# Altium PCB Remote_Core.PcbDoc
Units mm, origin at the board's own origin, x right, y up, seen from the top; angles counter-clockwise.
Board outline 60.29 x 50.29 mm, 2 copper layers (Top Layer, Bottom Layer); 36 components, 43 nets, 189 pads, 276 vias.
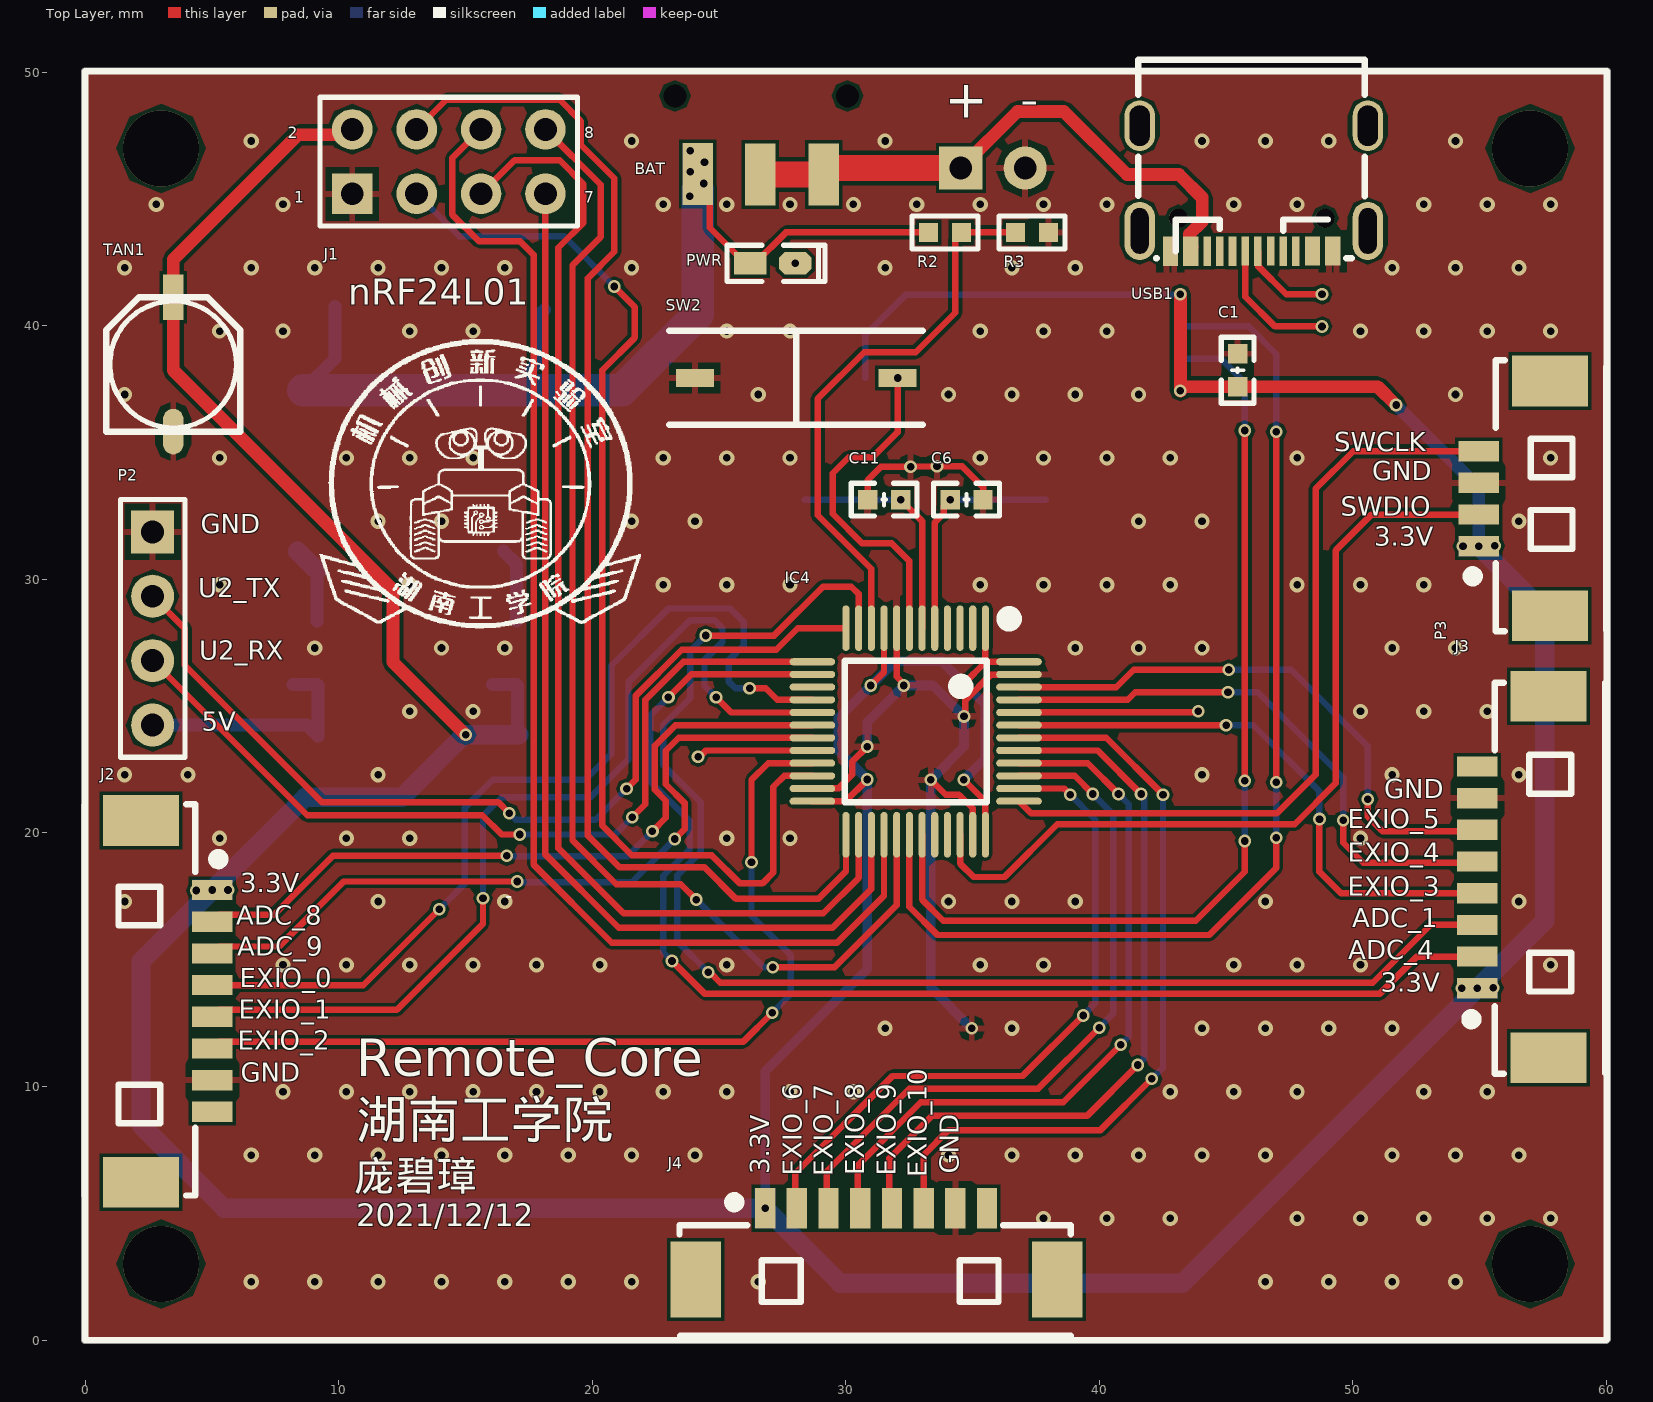
[diagram p0: Top Layer view]
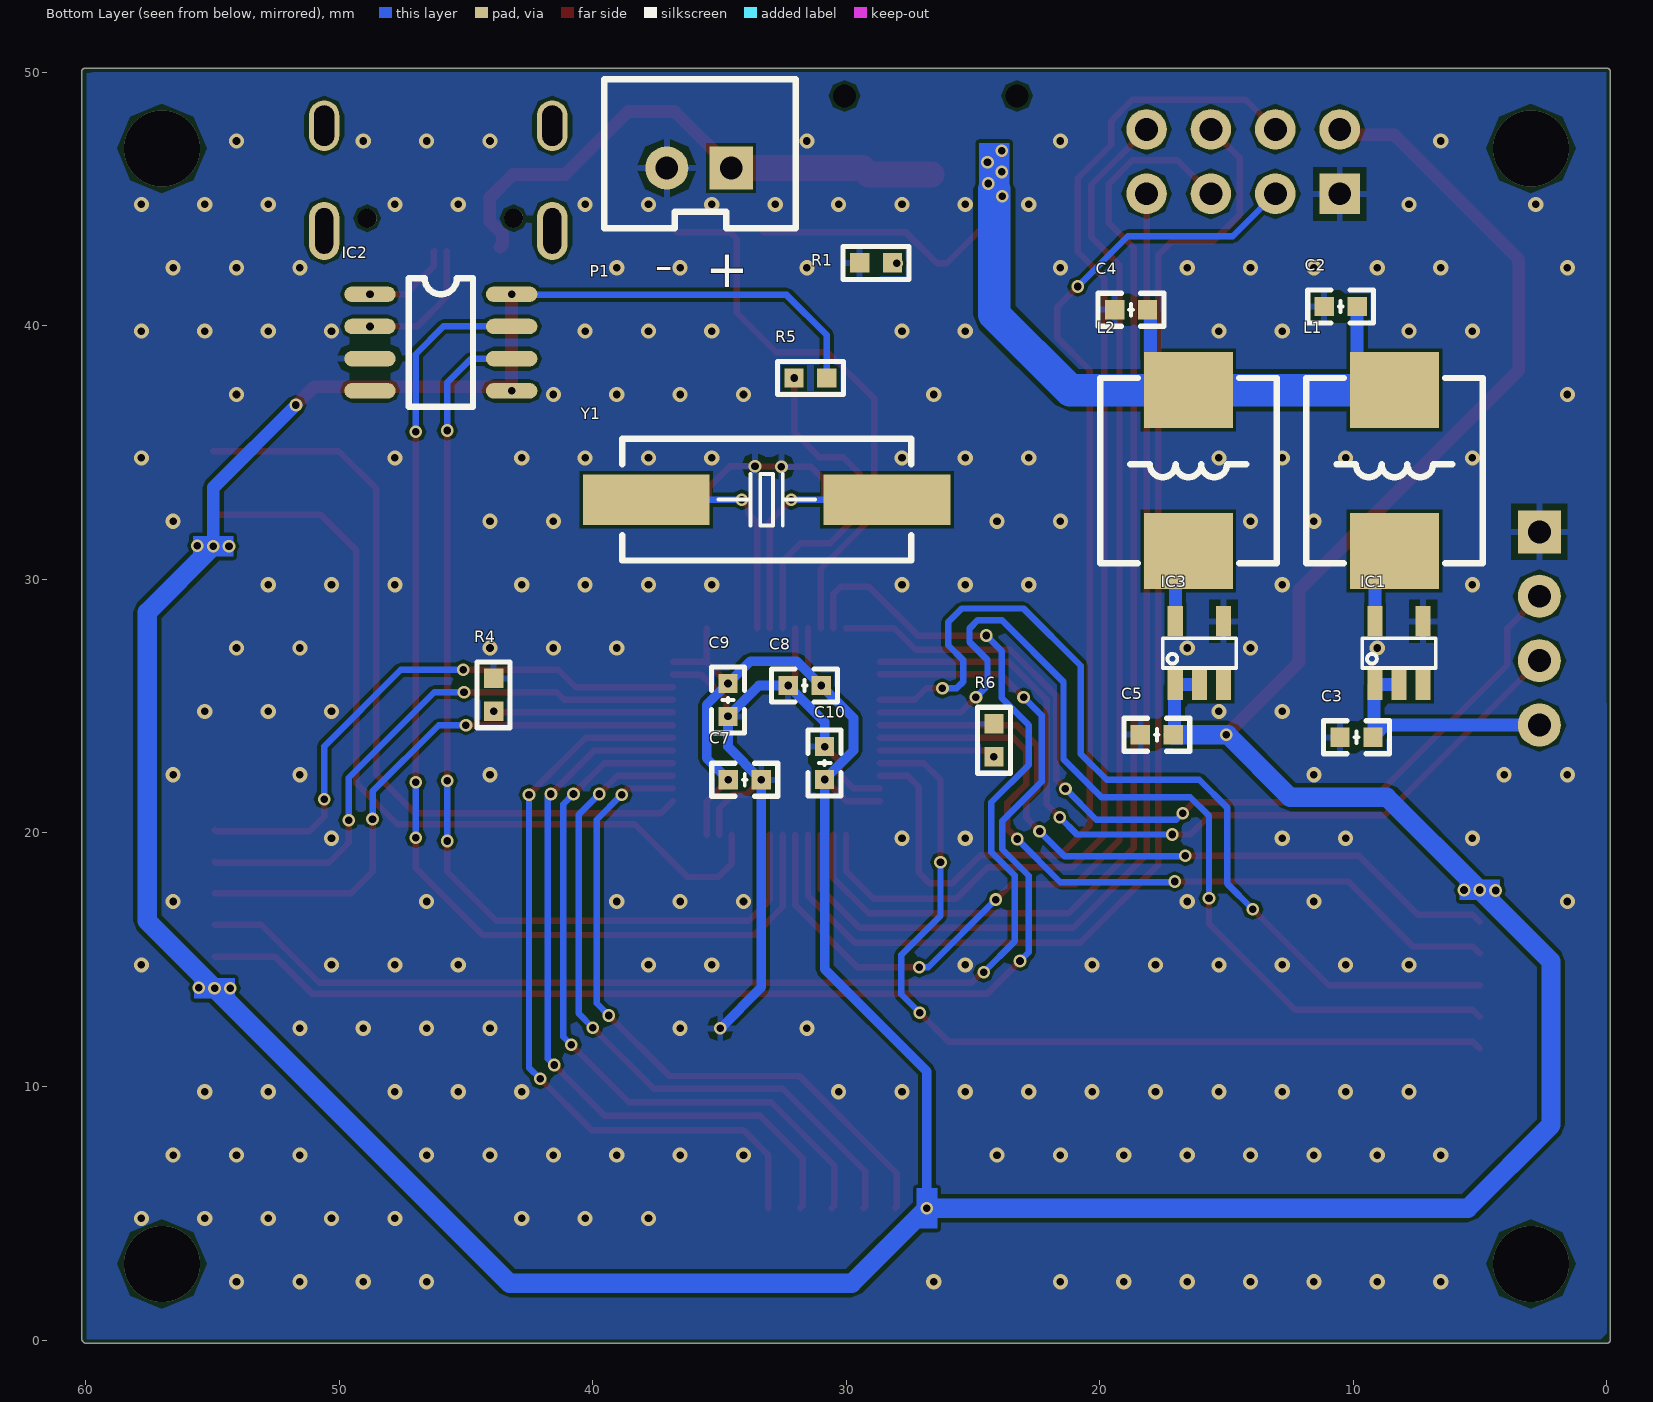
[diagram p1: Bottom Layer view, seen from below]

## Layer stack, top to bottom
Top Solder: solder mask 0.0102, Solder Resist, Dk 3.5
Top Layer: signal copper 0.0356
Dielectric 1: dielectric 0.32, FR-4, Dk 4.8
Bottom Layer: signal copper 0.0356
Bottom Solder: solder mask 0.0102, Solder Resist, Dk 3.5

## Board outline
-0.126,0.019 cw(c0,0.038) -0.127,0.038 -0.127,50.038 cw(c0,50.038) 0,50.165 60,50.165 cw(c60,50.038) 60.016,50.164 cw(c60.033,50.038) 60.16,50.038 60.16,0.038 cw(c60.033,0.038) 60.111,-0.063 cw(c60,0) 60,-0.127 0,-0.127 cw(c0,0)

## Design rules (kind name [scope] priority, off if disabled: settings)
Clearance [All] p1: gap=0.127 ignorepadtopadclearanceinfootprint=TRUE
PolygonConnect [All] p1: connectstyle=Relief reliefconductorwidth=0.254 reliefentries=4 polygonreliefangle="90 Angle" airgapwidth=0.254
RoutingVias [All] p1: holewidth=0.3 width=0.5 viastyle="Through Hole" minholewidth=0.2 minwidth=0.4 maxholewidth=0.3 maxwidth=0.8
SolderMaskExpansion [All] p1: expansion=0.102
Width [All] p1: maxlimit=1.27 minlimit=0.254 preferedwidth=0.254
30 further rules are at their usual default settings.

## Components (designator, comment, footprint, x,y, rotation, side; value= is the part's Value field where it differs from the comment)
BAT "SW" "拨动开关 9X3.5X3.5 侧卧" 26.67,49.073 r0 top (schematic designator SW1)
C1 "104" "C 0603" 45.466,38.227 r90 top
C2 "10uF" "C 0603" 10.531,40.767 r180 bottom
C3 "22uF" "C 0603" 9.906,23.774 r180 bottom
C4 "10uF" "C 0603" 18.796,40.64 r180 bottom
C5 "22uF" "C 0603" 17.78,23.876 r180 bottom
C6 "22pF" "C 0603" 34.798,33.147 r180 top
C7 "104" "C 0603" 34.036,22.098 r180 bottom
C8 "104" "C 0603" 31.623,25.817 r0 bottom
C9 "104" "C 0603" 34.671,25.273 r270 bottom
C10 "104" "C 0603" 30.861,22.733 r90 bottom
C11 "22pF" "C 0603" 31.496,33.147 r0 top
IC1 "PW5100-50" PW5100 8.255,27.051 r90 bottom
IC2 "CH340N" SOP-8 46.101,39.37 r180 bottom
IC3 "PW5100-33" PW5100 16.129,27.051 r90 bottom
IC4 "STM32F103C8T6" "LQPF48 7X7" 32.766,24.003 r180 top
J1 "JP" HDR2.54-LI-2x4P 10.566,47.752 r0 top
J2 "XM1.25" "MX1.25 8P" 2.21,13.36 r270 top
J3 "XM1.25" "MX1.25 8P" 57.734,18.263 r90 top
J4 "XM1.25" "MX1.25 8P" 31.217,2.388 r0 top
L1 "3.3uH" 0630 8.382,34.29 r270 bottom
L2 "3.3uH" 0630 16.51,34.29 r270 bottom
P1 "XH2.54" "XH2.54 2P" 35.814,46.228 r0 bottom
P2 "JP" "2.54 _ 4Pin" 2.667,28.067 r270 top
P3 "XM1.25" MX1.25 57.785,33.198 r90 top
PWR "LED" "LED 0603" 27.127,42.462 r0 top (schematic designator D1)
R1 "1K" "R 0603" 28.829,42.488 r0 bottom
R2 "10K" "R 0603" 33.924,43.688 r0 top
R3 "10K" "R 0603" 37.353,43.688 r0 top
R4 "10K" "R 0603" 43.917,25.451 r90 bottom
R5 "10K" "R 0603" 31.42,37.948 r180 bottom
R6 "10K" "R 0603" 24.181,23.658 r90 bottom
SW2 "SW" "SW SMD 3x6x2.5" 32.055,37.948 r180 top
TAN1 "100uF/10V" "6.3*5.4mm 电解电容" 3.48,38.481 r90 top
USB1 "Type-C" "USB Type-C" 45.974,45.423 r180 top
Y1 "8MHz" "OSC SMD" 33.147,33.147 r0 bottom

## Footprints (in the part's own frame and the unit in brackets; to place one, negate y for a bottom-side part, rotate by r counter-clockwise, add the part's x,y. Pads: shape width x height; smd on the part's side, far side on the other; paste and mask are expansions set on the pad)
"2.54 _ 4Pin" [mm]
  rect 1.7x1.7 hole 0.9: 1(-3.81,0)
  round 1.7 hole 0.9: 2(-1.27,0) 3(1.27,0) 4(3.81,0)
  silkscreen extent -5.08,-1.27 5.08,1.27, body extent -5.08,-1.27 5.08,1.27, height 8.5
"6.3*5.4mm 电解电容" [mm]
  rect 1.8x0.8 smd: 1(2.65,0)
  oval 1.8x0.8 smd: 2(-2.65,0)
  silkscreen extent -2.65,-2.65 2.65,2.65, body extent -2.95,-2.65 2.95,2.65, height 6
0630 [mm]
  rect 3x3.5 smd: 1(-3.175,0) 2(3.175,0)
  silkscreen extent -3.66,-3.48 3.66,3.48, body extent -3.47,-3.3 3.48,3.3, height 3.05
"C 0603" [mil]
  rect 30x30 smd: 1(-24.59,0) 2(26.59,0)
  silkscreen extent -50,-26 52,26, body extent -30,-16 33,16, height 32
HDR2.54-LI-2x4P [mm]
  rect 1.6x1.6 hole 0.9: 1(-0.025,-2.54)
  round 1.6 hole 0.9: 2(-0.025,0) 3(2.515,-2.54) 4(2.515,0) 5(5.055,-2.54) 6(5.055,0) 7(7.595,-2.54) 8(7.595,0)
  silkscreen extent -1.3,-3.81 8.86,1.27, body extent -1.3,-3.81 8.86,1.27, height 8.5
"LED 0603" [mil]
  rect 50x35 smd: 1(-35,0.26)
  oct 50x35 smd: 2(35,0.26)
  silkscreen extent -71,-28 81,28, body extent -31,-16 32,16, height 24
"LQPF48 7X7" [mm]
  oval 0.279x1.8 smd: 1(-2.75,-4.075) 2(-2.25,-4.075) 3(-1.75,-4.075) 4(-1.25,-4.075) 5(-0.75,-4.075) 6(-0.25,-4.075) 7(0.25,-4.075) 8(0.75,-4.075) 9(1.25,-4.075) 10(1.75,-4.075) 11(2.25,-4.075) 12(2.75,-4.075) 25(2.75,4.075) 26(2.25,4.075) 27(1.75,4.075) 28(1.25,4.075) 29(0.75,4.075) 30(0.25,4.075) 31(-0.25,4.075) 32(-0.75,4.075) 33(-1.25,4.075) 34(-1.75,4.075) 35(-2.25,4.075) 36(-2.75,4.075)
  oval 1.8x0.279 smd: 13(4.075,-2.75) 14(4.075,-2.25) 15(4.075,-1.75) 16(4.075,-1.25) 17(4.075,-0.75) 18(4.075,-0.25) 19(4.075,0.25) 20(4.075,0.75) 21(4.075,1.25) 22(4.075,1.75) 23(4.075,2.25) 24(4.075,2.75) 37(-4.075,2.75) 38(-4.075,2.25) 39(-4.075,1.75) 40(-4.075,1.25) 41(-4.075,0.75) 42(-4.075,0.25) 43(-4.075,-0.25) 44(-4.075,-0.75) 45(-4.075,-1.25) 46(-4.075,-1.75) 47(-4.075,-2.25) 48(-4.075,-2.75)
  silkscreen extent -3.93,-4.69 2.79,2.79, body extent -4.5,-4.5 4.5,4.5, height 1.45
MX1.25 [mm]
  rect 2x3 smd: 0(-4.632,0) 0(4.632,0)
  rect 0.8x1.6 smd: 1(-1.889,2.811) 2(-0.639,2.811) 3(0.611,2.811) 4(1.861,2.811)
  silkscreen extent -5.23,-2.23 5.45,3.25, body extent -5.07,-2.1 5.08,3.09, height 3.4
"MX1.25 8P" [mm]
  rect 2x3 smd: 0(-7.132,0) 0(7.132,0)
  rect 0.8x1.6 smd: 1(-4.389,2.811) 2(-3.139,2.811) 3(-1.889,2.811) 4(-0.639,2.811) 5(0.611,2.811) 6(1.861,2.811) 7(3.111,2.811) 8(4.361,2.811)
  silkscreen extent -7.77,-2.23 7.67,3.25, body extent -7.57,-2.1 7.58,3.09, height 3.4
"OSC SMD" [mm]
  rect 5x2 smd: 1(-4.75,0) 2(4.75,0)
  silkscreen extent -5.7,-2.4 5.7,2.4, body extent -6.5,-2.33 6.5,2.32, height 4.63
PW5100 [mm]
  rect 1.2x0.6 smd: 1(-1.201,0.896) 2(-1.201,-0.054) 3(-1.201,-1.004) 4(1.299,-1.004) 5(1.299,0.896)
  silkscreen extent -0.54,-1.5 0.63,1.4, body extent -1.4,-1.45 1.4,1.45, height 1.47
"R 0603" [mil]
  rect 30x30 smd: 1(-25.59,0) 2(25.59,0)
  silkscreen extent -51,-26 51,26, body extent -31,-16 31,16, height 16
SOP-8 [mil]
  oval 80x24 smd: 1(-106,74) 2(-106,24) 3(-106,-26) 4(-106,-76) 5(114,-76) 6(114,-26) 7(114,24) 8(114,74)
  silkscreen extent -46,-101 54,99, body extent -109,-99 129,99, height 63
"SW SMD 3x6x2.5" [mm]
  rect 1.5x0.7 smd: 1(0,0) 2(8,0)
  silkscreen extent -0.98,-1.85 9.02,1.85
"USB Type-C" [mm]
  oval 1.2x2 hole 0.8 slot 1.6 at 90 deg: 0(-4.627,-2.475) 0(4.373,-2.475)
  oval 1.2x2.3 hole 0.7 slot 1.8 at 90 deg: 0(-4.627,1.675) 0(4.373,1.675)
  rect 0.3x1.15 smd: A1(-3.39,2.473) A4(-2.589,2.471) A5(-1.289,2.475) A6(-0.289,2.475) A7(0.21,2.473) A9(2.511,2.475) A12(3.311,2.475) B1(3.011,2.475) B4(2.21,2.475) B5(1.711,2.475) B6(0.711,2.475) B7(-0.79,2.473) B9(-2.289,2.471) B12(-3.09,2.473)
  rect 0.3x1.148 smd: A8(-1.79,2.475) B8(1.21,2.475)
  round 0.75 hole 0.75 unplated: ""(-2.93,1.175) ""(2.851,1.175)
  silkscreen extent -4.51,-5.08 4.43,2.75, body extent -4.47,-5.14 4.47,2.76, height 3.25
"XH2.54 2P" [mm]
  rect 1.7x1.7 hole 0.9: 1(-1.27,0)
  round 1.7 hole 0.9: 2(1.27,0)
  silkscreen extent -3.81,-3.51 3.74,2.37, body extent -3.77,-3.3 3.77,2.4, height 7.05
"拨动开关 9X3.5X3.5 侧卧" [mm]
  round 0 hole 0.9: 0(-3.4,0) 0(3.4,0)
  rect 1.2x2.45 smd: 1(-2.5,-3.075) 2(-0.036,-3.102) 3(2.464,-3.102)

## Part data
BAT: library part 开关
C1 C2 C3 C4 C5 C6 C7 C8 C9 C10 C11: library part 电容
IC1 IC3: library part PW5100
IC4: library part stm32f103c8t6
J1 J2 J3 J4: library part 1X8排针
L1 L2: library part 电感
P1: library part 1X2排针
P2 P3 USB1: library part 1X4排针
PWR: "Typical INFRARED GaAs LED", LatestRevisionDate=08-Jul-2005, LatestRevisionNote="Mech Layer 1 removed.", PackageDescription="LED; 2 Leads", PackageReference=LED-0, Published=8-Jun-2000, Publisher="Altium Limited"
R1 R2 R3 R4 R5 R6: library part Res, "Resistor", LatestRevisionDate=17-Jul-2002, LatestRevisionNote="Re-released for DXP Platform.", PackageDescription="Axial Device, Thru-Hole; 2 Leads; 0.3 in Pin Spacing", PackageReference=AXIAL-0.3, Published=8-Jun-2000, Publisher="Altium Limited"
SW2: library part 弹簧开关
TAN1: library part 极性电容
Y1: library part 晶振, "Crystal Oscillator", LatestRevisionDate=17-Jul-2002, LatestRevisionNote="Re-released for DXP Platform.", PackageDescription="Crystal, Thru-Hole; 2 Leads; Body 3.1 x 8.2 mm (Dia.xH)", PackageReference=R38, Published=8-Jun-2000, Publisher="Altium Limited"

## Via types
v1: diameter 0.6, hole 0.3, Top Layer to Bottom Layer, tented both sides, 191 vias
v2: diameter 0.5, hole 0.3, Top Layer to Bottom Layer, tented both sides, 81 vias
v3: diameter 3, hole 3, Top Layer to Bottom Layer, 4 vias

## Nets (pads, with @x,y where several pads share a name; then routed paths per layer and width w, separated by ;. In a path a pad name is that pad's centre, name@x,y a point inside that pad or via, vN(x,y) a via of type N, cw(c..) or ccw(c..) an arc to the next point about the centre after c; other vN are vias at no path point)
ADC_IN0: IC4.10 R2.2 R3.1 | length 22.2
  Top Layer w0.254: IC4.10 31.016,30.427 28.905,32.537 28.905,37.135 30.734,38.964 32.766,38.964 34.32,40.518 34.32,43.434 R2.2 R3.1
ADC_IN1: IC4.11 J3.3 | length 55.2
  Top Layer w0.254: v2(24.486,27.788) 27.178,27.788 29.108,29.718 30.226,29.718 30.511,29.433 30.511,28.083 IC4.11 ; v2(24.587,14.503) 24.654,14.503 25.06,14.097 50.8,14.097 53.077,16.374 J3.3
  Bottom Layer w0.254: v2(24.486,27.788) 23.876,27.178 23.876,25.324 22.809,24.257 22.809,22.682 24.282,21.209 24.282,19.248 23.368,18.333 23.368,15.723 v2(24.587,14.503)
ADC_IN4: IC4.14 J3.2 | length 50.9
  Top Layer w0.254: v2(23.012,25.349) 23.916,26.253 IC4.14 ; v2(23.152,14.948) 24.435,13.665 51.079,13.665 52.538,15.124 J3.2
  Bottom Layer w0.254: v2(23.012,25.349) 22.301,24.638 22.301,22.022 23.851,20.472 23.851,19.355 22.809,18.313 22.809,15.291 v2(23.152,14.948)
ADC_IN8: IC4.18 J2.2 | length 29.2
  Top Layer w0.254: J2.2 5.293,16.772 7.45,16.772 9.779,19.101 v2(16.637,19.101) ; v2(22.381,20.066) 22.911,20.596 22.911,21.27 22.479,21.702 22.479,23.444 23.288,24.253 IC4.18
  Bottom Layer w0.254: v2@16.637,19.075 21.39,19.075 v2(22.381,20.066)
ADC_IN9: IC4.19 J2.3 | length 30.1
  Top Layer w0.254: J2.3 5.293,15.522 7.648,15.522 10.211,18.085 v2(17.043,18.085) ; v2(23.266,19.761) 23.647,20.142 23.647,21.185 22.911,21.922 22.911,23.241 23.423,23.753 IC4.19
  Bottom Layer w0.254: v2@17.043,18.059 21.565,18.059 v2(23.266,19.761)
BOOT0: IC4.44 R4.1 | length 7.1
  Top Layer w0.254: IC4.44 36.846,24.758 43.874,24.758 v2(43.917,24.801)
BOOT1: IC4.20 R6.1 | length 4.6
  Top Layer w0.254: v2(24.181,23.008) 24.247,23.008 24.493,23.253 IC4.20
EXIO_0: IC4.16 J2.4 | length 37.3
  Top Layer w0.254: J2.4 10.977,13.999 v2(13.97,16.993) ; v2(26.213,25.705) 26.848,25.705 27.3,25.253 IC4.16
  Bottom Layer w0.254: v2(13.97,16.993) 14.986,18.009 14.986,21.006 16.078,22.098 19.736,22.098 20.752,23.114 20.752,26.594 23.012,28.854 25.451,28.854 25.984,28.321 25.984,27.407 25.4,26.822 25.4,25.959 25.654,25.705 v2(26.213,25.705)
EXIO_1: IC4.17 J2.5 | length 38.3
  Top Layer w0.254: J2.5 5.293,13.022 12.302,13.022 15.697,16.418 v2(15.697,17.424) ; v2(24.892,25.349) 25.488,24.753 IC4.17
  Bottom Layer w0.254: v2(15.697,17.424) 15.697,20.676 16.434,21.412 19.939,21.412 21.438,22.911 21.438,25.959 23.876,28.397 24.816,28.397 25.146,28.067 25.146,27.534 24.435,26.822 24.435,25.806 v2(24.892,25.349)
EXIO_2: IC4.21 J2.6 | length 35.5
  Top Layer w0.254: J2.6 5.293,11.772 25.971,11.772 v2(27.102,12.903) ; v2(26.289,18.847) 26.289,22.098 26.944,22.753 IC4.21
  Bottom Layer w0.254: v2(26.289,18.847) 26.289,16.739 27.838,15.189 27.838,13.64 v2(27.102,12.903)
EXIO_3: IC4.43 J3.4 | length 22.7
  Top Layer w0.254: IC4.43 v2(45.009,24.253) ; v2(48.692,20.549) 48.692,18.474 49.542,17.624 J3.4
  Bottom Layer w0.254: v2(45.009,24.253) 46.08,24.253 48.692,21.641 v2(48.692,20.549)
EXIO_4: IC4.45 J3.5 | length 22.5
  Top Layer w0.254: IC4.45 41.128,25.253 41.427,25.552 v2(45.085,25.552) ; v2(49.632,20.498) 49.632,19.609 50.419,18.821 54.871,18.821 J3.5
  Bottom Layer w0.254: v2(45.085,25.552) 46.253,25.552 49.632,22.174 v2(49.632,20.498)
EXIO_5: IC4.46 J3.6 | length 22.7
  Top Layer w0.254: IC4.46 40.673,25.753 41.362,26.441 v2(45.11,26.441) ; v2(50.601,21.336) 50.601,20.646 51.181,20.066 54.866,20.066 J3.6
  Bottom Layer w0.254: v2(45.11,26.441) 47.574,26.441 50.601,23.415 v2(50.601,21.336)
EXIO_6: IC4.38 J4.2 | length 26.8
  Top Layer w0.254: J4.2 28.016,5.26 28.016,6.579 31.852,10.414 36.982,10.414 v2(39.37,12.802) ; IC4.38 38.623,21.753 v2(38.862,21.514)
  Bottom Layer w0.254: v2(38.862,21.514) 39.853,20.523 39.853,13.284 v2(39.37,12.802)
EXIO_7: IC4.39 J4.3 | length 27.6
  Top Layer w0.254: J4.3 29.261,5.265 29.261,6.655 32.512,9.906 37.592,9.906 v2(40.005,12.319) ; IC4.39 39.037,22.253 v2(39.751,21.539)
  Bottom Layer w0.254: v2(39.751,21.539) 40.564,20.726 40.564,12.878 v2(40.005,12.319)
EXIO_8: IC4.40 J4.4 | length 28.7
  Top Layer w0.254: J4.4 30.48,5.296 30.48,6.883 32.969,9.373 38.583,9.373 v2(40.856,11.646) ; IC4.40 39.553,22.753 v2(40.767,21.539)
  Bottom Layer w0.254: v2(40.767,21.539) 41.173,21.133 41.173,11.963 v2(40.856,11.646)
EXIO_9: IC4.41 J4.5 | length 29.7
  Top Layer w0.254: J4.5 31.725,5.302 31.725,7.163 33.401,8.839 39.522,8.839 v2(41.529,10.846) ; IC4.41 39.942,23.253 v2(41.656,21.539)
  Bottom Layer w0.254: v2(41.529,10.846) 41.783,11.1 41.783,21.412 v2(41.656,21.539)
EXIO_10: IC4.42 J4.6 | length 30.3
  Top Layer w0.254: J4.6 33.078,7.297 34.061,8.28 40.056,8.28 v2(42.075,10.3) ; IC4.42 40.28,23.753 v2(42.52,21.514)
  Bottom Layer w0.254: v2(42.075,10.3) 42.52,10.744 v2(42.52,21.514)
GND: C1.2 C2.1 C3.1 C4.1 C5.1 C6.1 C7.2 C8.2 C9.2 C10.2 C11.1 IC1.4 IC2.3 IC3.4 IC4.8 IC4.23 IC4.35 IC4.47 J1.1 J2.7 J3.7 J4.7 P1.2 P2.1 P3.3 R1.2 R3.2 R4.2 R6.2 SW2.2 TAN1.2 USB1.A1 USB1.A12 USB1.B1 USB1.B12 | length 37.7
  Top Layer w0.254: IC4.23 28.695,21.758 29.723,21.758 30.268,22.303 30.268,22.816 v2(30.861,23.408) ; C11.1 30.871,33.919 31.394,34.442 v2(32.563,34.442) 32.575,34.455 33.591,34.455 v2(33.604,34.468) 34.595,34.468 35.423,33.64 C6.1 ; IC4.8 32.016,26.166 32.298,25.884 v2(32.298,25.817) ; v2(33.361,22.098) 33.948,21.511 34.471,21.511 35.011,20.97 35.011,19.932 IC4.35 ; v2(34.671,24.598) 34.718,24.644 34.718,25.229 35.737,26.248 36.837,26.248 IC4.47
  Bottom Layer w0.381: v2(30.861,23.408) 30.861,24.38 v2(32.298,25.817) 33.452,25.817 v2(34.671,24.598) 34.671,23.408 v2(33.361,22.098) 33.361,13.909 v2(34.976,12.294)
  other v1: 6.559,2.295 9.059,2.295 11.559,2.295 14.059,2.295 16.559,2.295 19.059,2.295 21.559,2.295 26.559,2.295 46.559,2.295 49.059,2.295 51.559,2.295 54.059,2.295 37.809,4.795 40.309,4.795 42.809,4.795 47.809,4.795 50.309,4.795 52.809,4.795 55.309,4.795 57.809,4.795 6.559,7.295 9.059,7.295 11.559,7.295 14.059,7.295 16.559,7.295 19.059,7.295 21.559,7.295 24.059,7.295 34.059,7.295 36.559,7.295 39.059,7.295 41.559,7.295 44.059,7.295 46.559,7.295 51.559,7.295 54.059,7.295 56.559,7.295 7.809,9.795 10.309,9.795 12.809,9.795 15.309,9.795 17.809,9.795 20.309,9.795 22.809,9.795 25.309,9.795 27.809,9.795 30.309,9.795 42.809,9.795 45.309,9.795 47.809,9.795 52.809,9.795 55.309,9.795 31.559,12.295 36.559,12.295 44.059,12.295 46.559,12.295 49.059,12.295 51.559,12.295 7.809,14.795 10.309,14.795 12.809,14.795 15.309,14.795 17.809,14.795 20.309,14.795 25.309,14.795 35.309,14.795 37.809,14.795 45.309,14.795 47.809,14.795 50.309,14.795 57.809,14.795 1.559,17.295 11.559,17.295 16.559,17.295 34.059,17.295 36.559,17.295 39.059,17.295 46.559,17.295 56.559,17.295 5.309,19.795 10.309,19.795 12.809,19.795 25.309,19.795 27.809,19.795 50.309,19.795 1.559,22.295 4.059,22.295 11.559,22.295 44.059,22.295 51.559,22.295 56.559,22.295 12.809,24.795 15.309,24.795 50.309,24.795 52.809,24.795 55.309,24.795 9.059,27.295 14.059,27.295 16.559,27.295 39.059,27.295 41.559,27.295 44.059,27.295 51.559,27.295 54.059,27.295 5.309,29.795 12.809,29.795 22.809,29.795 25.309,29.795 27.809,29.795 35.309,29.795 37.809,29.795 40.309,29.795 42.809,29.795 47.809,29.795 50.309,29.795 52.809,29.795 11.559,32.295 14.059,32.295 21.559,32.295 24.059,32.295 41.559,32.295 44.059,32.295 56.559,32.295 5.309,34.795 10.309,34.795 12.809,34.795 15.309,34.795 22.809,34.795 25.309,34.795 27.809,34.795 35.309,34.795 37.809,34.795 40.309,34.795 42.809,34.795 47.809,34.795 57.809,34.795 1.559,37.295 26.559,37.295 34.059,37.295 36.559,37.295 39.059,37.295 41.559,37.295 54.059,37.295 5.309,39.795 7.809,39.795 12.809,39.795 15.309,39.795 25.309,39.795 27.809,39.795 35.309,39.795 37.809,39.795 40.309,39.795 50.309,39.795 52.809,39.795 55.309,39.795 57.809,39.795 1.559,42.295 6.559,42.295 9.059,42.295 11.559,42.295 14.059,42.295 16.559,42.295 21.559,42.295 31.559,42.295 36.559,42.295 39.059,42.295 51.559,42.295 54.059,42.295 56.559,42.295 2.809,44.795 7.809,44.795 22.809,44.795 25.309,44.795 27.809,44.795 30.309,44.795 32.809,44.795 35.309,44.795 37.809,44.795 40.309,44.795 45.309,44.795 47.809,44.795 52.809,44.795 55.309,44.795 57.809,44.795 6.559,47.295 21.559,47.295 31.559,47.295 44.059,47.295 46.559,47.295 49.059,47.295 54.059,47.295
NetD1_2: PWR.2 R1.1
  other v2: 28.016,42.469
NetIC1_5: IC1.5 L1.2 | length 3.1
  Bottom Layer w0.508: IC1.5 L1.2@9.151,30.346
  Bottom Layer w0.762: L1.2 L1.2@9.151,30.346
NetIC2_1: IC2.1 USB1.A6 | length 3.6
  Top Layer w0.254: USB1.A6 46.286,42.925 46.286,42.342 47.379,41.25 v2(48.793,41.25)
NetIC2_2: IC2.2 USB1.A7 | length 5.3
  Top Layer w0.254: USB1.A7 45.764,41.155 46.939,39.98 v2(48.793,39.98)
NetIC3_5: IC3.5 L2.2 | length 3
  Bottom Layer w0.508: L2.2 17.025,30.6 IC3.5
NRF_CE: IC4.22 J1.3 | length 44.4
  Top Layer w0.254: v2(20.879,41.554) 21.692,40.742 21.692,39.548 20.396,38.252 20.396,20.295 21.565,19.126 24.714,19.126 25.832,18.009 26.721,18.009 27.153,18.44 27.153,21.819 27.587,22.253 IC4.22
  Bottom Layer w0.254: J1.3 14.757,43.536 18.898,43.536 v2(20.879,41.554)
NRF_CS: IC4.25 J1.4 | length 49.6
  Top Layer w0.254: J1.4 14.249,48.92 18.72,48.92 19.558,48.082 19.558,47.142 20.879,45.822 20.879,42.926 19.837,41.885 19.837,19.888 21.082,18.644 24.435,18.644 25.679,17.399 28.927,17.399 30.016,18.488 IC4.25
NRF_IRQ: IC4.29 J1.8 | length 48.1
  Top Layer w0.254: J1.8 20.345,45.568 20.345,43.51 19.228,42.393 19.228,19.71 20.955,17.983 23.495,17.983 v2(24.105,17.374) ; v2(27.127,14.707) 29.566,14.707 32.016,17.157 IC4.29
  Bottom Layer w0.254: v2(24.105,17.374) 26.772,14.707 v2(27.127,14.707)
OSC_IN: C6.2 IC4.5 Y1.2 | length 9.1
  Top Layer w0.254: IC4.5 33.516,32.246 33.869,32.599 33.869,32.893 v2(34.123,33.147)
  Bottom Layer w0.254: v2(34.123,33.147) Y1.2
OSC_OUT: C11.2 IC4.6 Y1.1 | length 9.2
  Top Layer w0.254: v2(32.171,33.147) 33.016,32.302 IC4.6
  Bottom Layer w0.254: Y1.1 v2(32.171,33.147)
RST: IC4.7 R5.1 SW2.1 | length 13.4
  Top Layer w0.254: v2(32.055,37.948) 32.055,35.814 31.064,34.823 30.124,34.823 29.489,34.188 29.489,32.588 30.658,31.42 31.826,31.42 32.516,30.73 IC4.7
SPI2_MISO: IC4.27 J1.7 | length 42.9
  Top Layer w0.254: J1.7 18.161,19.152 21.057,16.256 29.484,16.256 31.016,17.788 IC4.27
SPI2_MOSI: IC4.28 J1.6 | length 50
  Top Layer w0.254: J1.6 14.478,46.609 14.478,44.399 15.545,43.332 17.17,43.332 17.692,42.811 17.692,40.347 17.692,19.237 17.692,18.757 20.777,15.672 29.662,15.672 31.516,17.526 IC4.28
SPI2_SCK: IC4.26 J1.5 | length 46.8
  Top Layer w0.254: J1.5 16.942,46.533 18.72,46.533 19.66,45.593 19.66,44.069 18.669,43.078 18.669,19.406 21.244,16.831 29.121,16.831 30.516,18.226 IC4.26
SWCLK: IC4.37 P3.4 | length 30.9
  Top Layer w0.254: IC4.37 37.317,20.777 47.015,20.777 48.539,22.301 48.539,33.579 50.02,35.059 P3.4
SWDIO: IC4.34 P3.2 | length 33.1
  Top Layer w0.254: IC4.34 34.516,18.799 35.052,18.263 36.271,18.263 38.354,20.345 47.716,20.345 49.327,21.956 49.327,31.14 50.745,32.559 P3.2
U1_RX: IC2.6 IC4.31 | length 38.7
  Top Layer w0.254: IC4.31 33.016,17.378 33.858,16.535 43.815,16.535 45.745,18.466 v2(45.745,19.685) ; v2(45.745,22.058) v2(45.745,35.874)
  Bottom Layer w0.254: IC2.6 44.806,38.71 45.745,37.77 v2(45.745,35.874) ; v2(45.745,19.685) v2(45.745,22.058)
U1_TX: IC2.7 IC4.30 | length 43.4
  Top Layer w0.254: IC4.30 32.516,17.09 33.63,15.977 44.348,15.977 46.99,18.618 v2(46.99,19.812) ; v2(46.99,21.996) v2(46.99,35.824)
  Bottom Layer w0.254: IC2.7 45.898,39.98 46.99,38.887 v2(46.99,35.824) ; v2(46.99,19.812) v2(46.99,21.996)
U2_RX: IC4.13 P2.3 | length 34.1
  Top Layer w0.254: P2.3 8.763,20.701 15.672,20.701 16.434,19.939 v2(17.145,19.939) ; v2(21.59,20.625) 22.098,21.133 22.098,25.248 23.603,26.753 IC4.13
  Bottom Layer w0.254: v2(17.145,19.939) 20.904,19.939 v2(21.59,20.625)
U2_TX: IC4.12 P2.2 | length 36.9
  Top Layer w0.254: P2.2 3.937,28.067 3.937,26.619 9.347,21.209 16.307,21.209 v2(16.739,20.777) ; v2(21.361,21.742) 21.717,22.098 21.717,25.405 23.54,27.229 27.268,27.229 28.118,28.078 IC4.12
  Bottom Layer w0.254: v2(16.739,20.777) 16.993,20.523 20.142,20.523 v2(21.361,21.742)
V_Bat: BAT.2 BAT.3 P1.1 USB1.A9 USB1.B4 | length 22.1
  Top Layer w0.508: P1.1 36.779,48.463 38.608,48.463 41.097,45.974 43.155,45.974 44.069,45.06 44.069,44.124 43.567,43.622 43.567,43.202 USB1.B4@43.66,43.109
  Top Layer w0.762: BAT.3 29.134,46.009 BAT.3@29.353,46.228
  Top Layer w1.016: BAT.2 BAT.3 ; BAT.3@29.353,46.228 P1.1
V_In: BAT.1 C2.2 C4.2 L1.1 L2.1 PWR.1 R2.1 | length 41.6
  Top Layer w0.254: BAT.1 24.643,45.525 24.643,43.874 26.048,42.469 PWR.1 26.429,42.469 27.648,43.688 R2.1
  Bottom Layer w0.508: L1.1 8.609,37.465 9.855,38.711 C2.2 ; L2.1 16.76,37.465 18.006,38.711 18.006,40.525 C4.2
  Bottom Layer w1.27: L1.1@8.609,37.465 L2.1 ; L2.1@16.76,37.465 21.184,37.465 24.168,40.45 24.168,45.39
  other v2: 23.851,45.11 24.409,45.618 23.876,46.076 24.435,46.457 23.876,46.914
VSS3.3: C1.1 C5.2 C7.1 C8.1 C9.1 C10.1 IC2.5 IC2.8 IC3.1 IC3.2 IC4.1 IC4.9 IC4.24 IC4.36 IC4.48 J1.2 J2.1 J3.1 J4.1 P3.1 R5.2 TAN1.1 | length 218.5
  Top Layer w0.254: IC4.24 28.695,21.258 30.01,21.258 v2(30.861,22.108) ; v2(30.998,25.817) 31.516,26.335 IC4.9 ; v2(34.661,22.098) 35.511,21.247 35.511,19.932 IC4.36 ; v2(34.671,25.898) 35.511,26.738 ; IC4.1 35.511,28.074 35.511,26.738 ; IC4.48 36.837,26.748 35.522,26.748 35.511,26.738
  Top Layer w0.508: J1.2 10.332,47.543 8.402,47.543 3.48,42.621 TAN1.1 3.48,38.252 12.141,29.591 12.141,26.746 v2(15.011,23.876) ; v2(43.205,41.25) v2(43.205,37.44) 43.368,37.602 C1.1 50.993,37.602 v2(51.714,36.881)
  Bottom Layer w0.254: R5.2 30.77,39.634 32.36,41.224 43.18,41.224 v2(43.205,41.25)
  Bottom Layer w0.381: v2(26.828,5.198) 26.828,10.597 30.861,14.63 v2(30.861,22.108) 29.718,23.251 29.718,24.537 v2(30.998,25.817) 31.953,26.772 33.797,26.772 v2(34.671,25.898) 35.509,25.059 35.509,22.947 v2(34.661,22.098)
  Bottom Layer w0.508: IC3.2 IC3.1 17.065,25.81 17.065,23.916 C5.2 ; v2(51.714,36.881) 54.974,33.621 v2(54.974,31.309)
  Bottom Layer w0.762: C5.2 v2(15.011,23.876) 14.961,23.876 12.497,21.412 8.684,21.412 v2(5.02,17.749) 2.21,14.938 2.21,8.484 5.495,5.198 v2(26.828,5.198) 29.791,2.235 43.285,2.235 v2(54.924,13.874) 57.582,16.532 57.582,28.702 v2(54.974,31.309)
  other v2: 54.305,13.874 55.55,13.894 4.394,17.729 5.639,17.749 54.356,31.309 55.601,31.329
VSS5: C3.2 IC1.1 IC1.2 P2.4 | length 9.7
  Bottom Layer w0.508: P2.4 8.748,24.257 9.191,23.814 9.191,25.81 IC1.1 IC1.2
pads on no net: BAT.0 IC1.3 IC2.4 IC3.3 IC4.2 IC4.3 IC4.4 IC4.15 IC4.32 IC4.33 J2.0 J2.8 J3.0 J3.8 J4.0 J4.8 P3.0 USB1. USB1.0 USB1.A4 USB1.A5 USB1.A8 USB1.B5 USB1.B6 USB1.B7 USB1.B8 USB1.B9
copper on no net:
  other v3: 3,3 57,3 3,47 57,47

## Polygon pours and split planes (outlines as drawn)
GND on Top Layer "Top Layer-GND" (solid, pour order 10): 0,50.013 59.995,50.013 59.995,0.051 59.969,0.025 59.944,0.051 0,0.051
GND on Bottom Layer "Bottom Layer-GND" (solid, pour order 12): 0.025,50.013 59.969,50.013 59.995,49.987 59.969,49.962 59.969,0.025 0.025,0.025 0,0.051

## Other copper
Bottom Layer:
  region net VSS3.3: 55.778,31.71 54.178,31.71 54.178,30.897 55.778,30.897
  region net VSS3.3: 55.728,14.275 54.127,14.275 54.127,13.462 55.728,13.462
  region net VSS3.3: 27.229,4.394 27.229,5.994 26.416,5.994 26.416,4.394
  rectangle net VSS3.3: 4.216,17.348 5.817,18.161
  rectangle net V_In: 23.571,44.755 24.765,47.219

## Silkscreen, mask and mechanical layers (free items; w line width, h text height)
Top Overlay:
  drawing of 4646 lines, arcs and shapes, not listed
  text "-" at 36.881,47.777 h2.54
  text "+" at 33.909,47.727 h2.54
  text "nRF24L01" at 10.389,40.488 h1.78
  text "SWCLK" at 49.276,34.798 h1.27
  text "GND" at 50.775,33.655 h1.27
  text "SWDIO" at 49.53,32.258 h1.27
  text "GND" at 4.572,31.572 h1.27
  text "3.3V" at 50.851,31.064 h1.27
  text "U2_TX" at 4.467,29.032 h1.27
  text "U2_RX" at 4.496,26.568 h1.27
  text "5V" at 4.597,23.774 h1.27
  text "GND" at 51.257,21.107 h1.27
  text "EXIO_5" at 49.809,19.939 h1.27
  text "EXIO_4" at 49.809,18.618 h1.27
  text "3.3V" at 6.13,17.399 h1.27
  text "EXIO_3" at 49.809,17.272 h1.27
  text "ADC_8" at 5.969,16.129 h1.27
  text "ADC_1" at 49.987,16.027 h1.27
  text "ADC_9" at 5.994,14.91 h1.27
  text "ADC_4" at 49.835,14.757 h1.27
  text "EXIO_0" at 6.096,13.665 h1.27
  text "3.3V" at 51.105,13.487 h1.27
  text "EXIO_1" at 6.071,12.421 h1.27
  text "EXIO_2" at 6.02,11.201 h1.27
  text "GND" at 6.147,9.931 h1.27
  text "Remote_Core" at 10.693,9.906 h2.54
  text "湖南工学院" at 10.719,7.493 h2.54
  text "GND" at 34.722,6.553 h1.27 r90
  text "3.3V" at 27.254,6.536 h1.27 r90
  text "EXIO_8" at 30.988,6.502 h1.27 r90
  text "EXIO_6" at 28.524,6.477 h1.27 r90
  text "EXIO_9" at 32.233,6.477 h1.27 r90
  text "EXIO_7" at 29.743,6.452 h1.27 r90
  text "EXIO_10" at 33.452,6.426 h1.27 r90
  text "庞碧璋" at 10.617,5.512 h2.03
  text "2021/12/12" at 10.693,4.191 h1.52
Bottom Overlay:
  text "+" at 33.858,43.307 h2.54 r180
  text "-" at 36.83,43.256 h2.54 r180

## Text inside footprints (layer, text, board x,y; h text height)
J1: Top Overlay "8" at 19.685,47.244 h0.76; Top Overlay "1" at 8.255,44.704 h0.76; Top Overlay "2" at 8.001,47.244 h0.76; Top Overlay "7" at 19.685,44.704 h0.76